# Altium PCB IOT_V1.2.PcbDoc (part 1 of 2)
Units mm, origin at the board's own origin, x right, y up, seen from the top; angles counter-clockwise.
Board outline 86.5 x 100 mm, 2 copper layers (Top Layer, Bottom Layer); 131 components, 118 nets, 469 pads, 487 vias.
Unrouted connection lines stored in the file: 52.
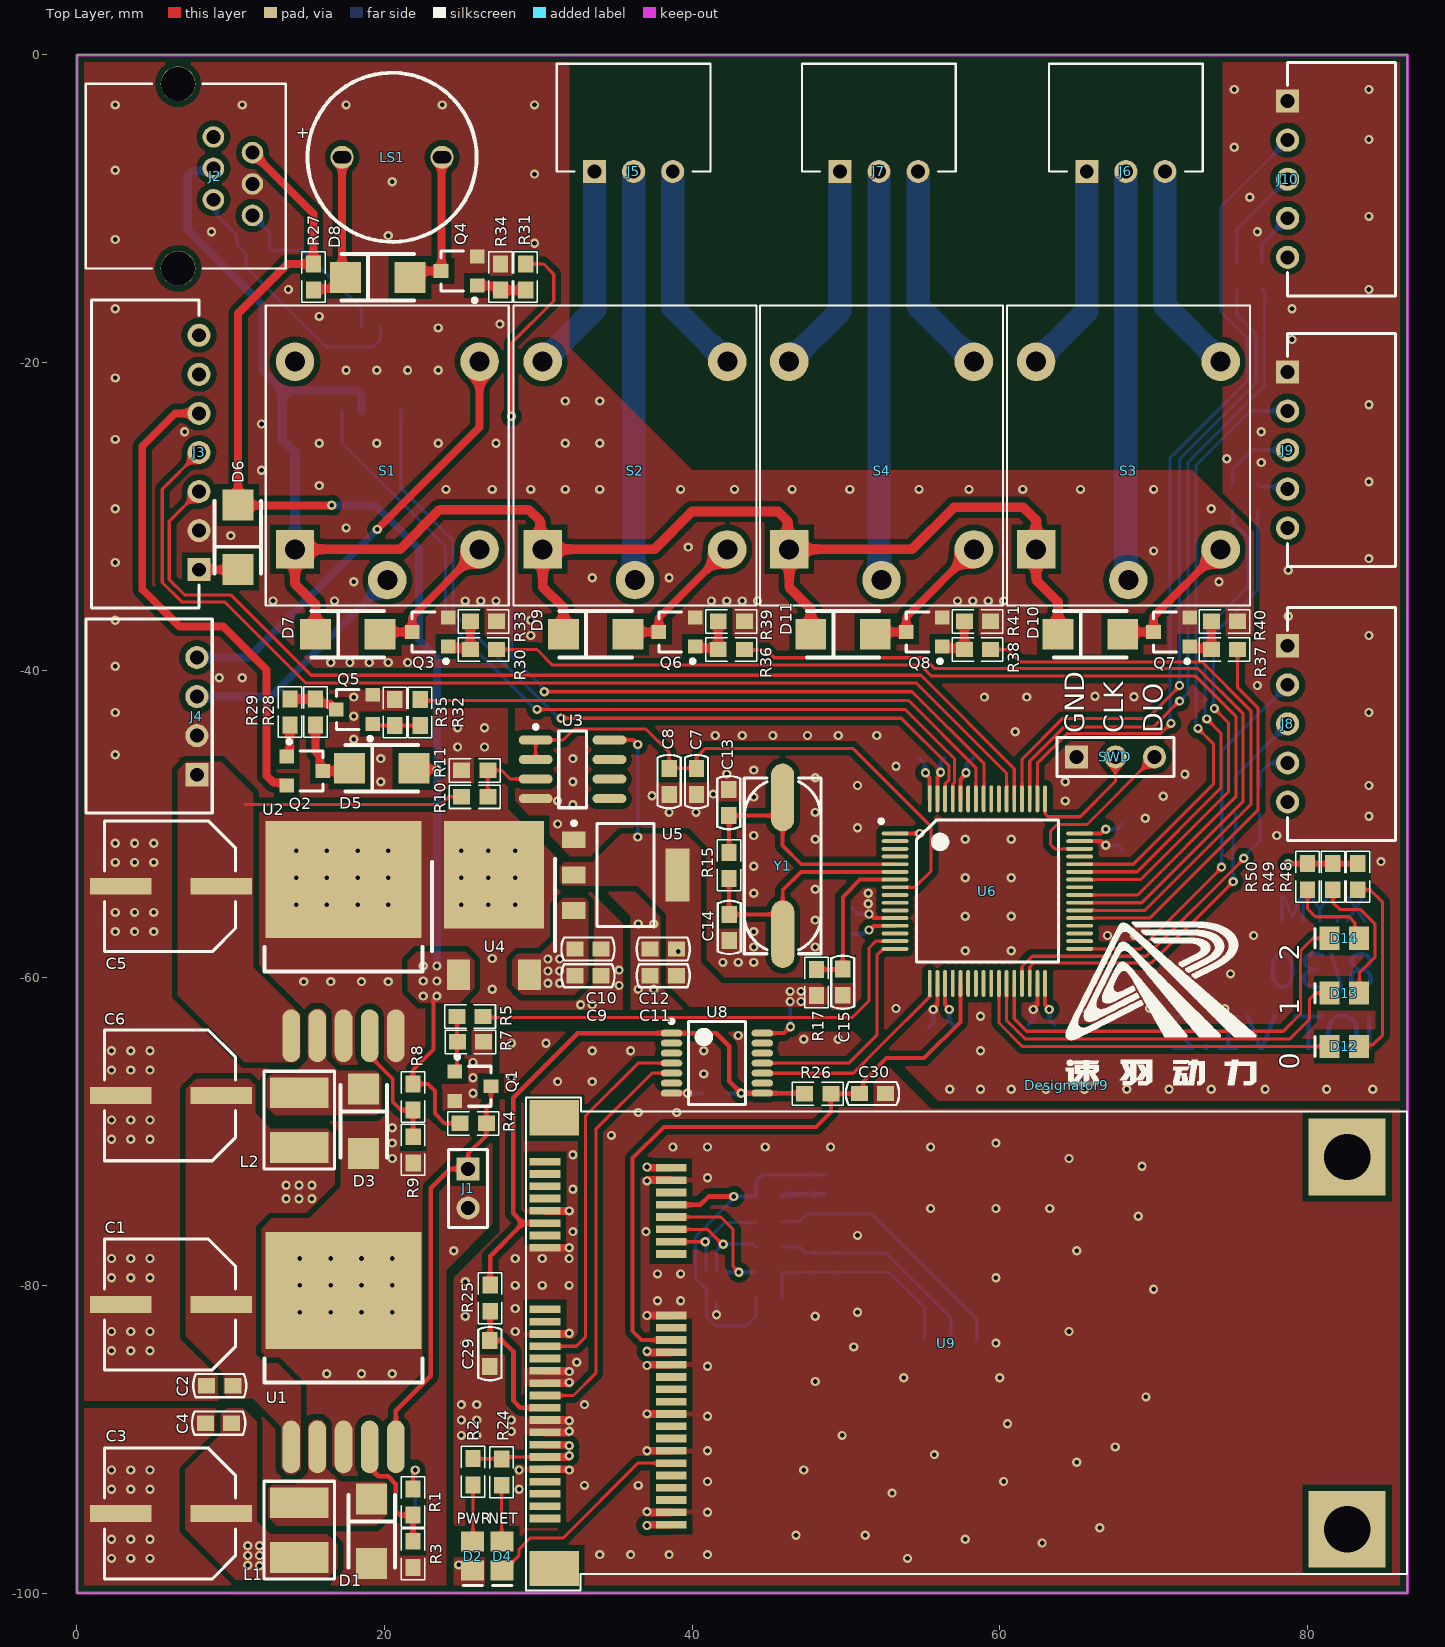
[diagram p0: Top Layer view]
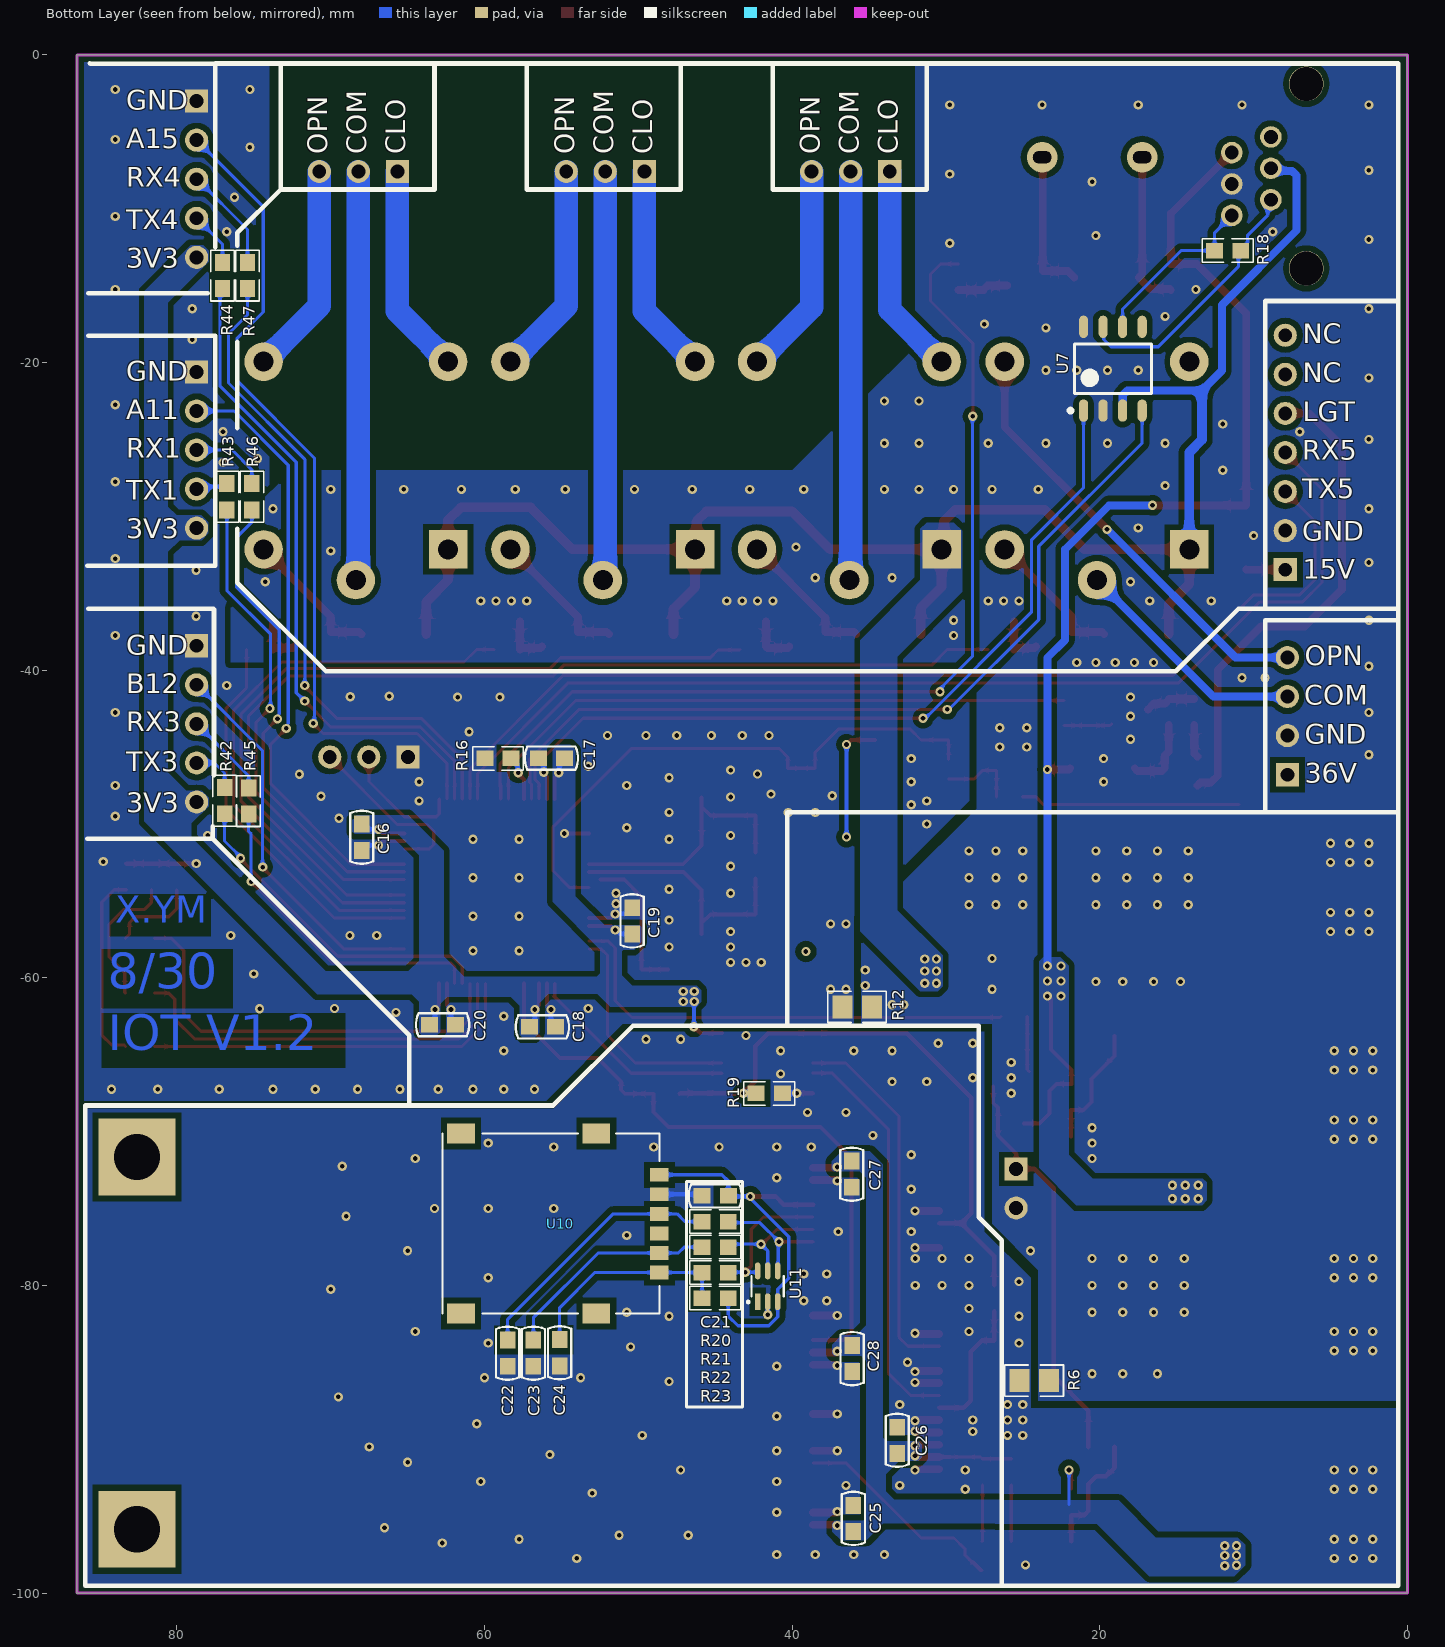
[diagram p1: Bottom Layer view, seen from below]
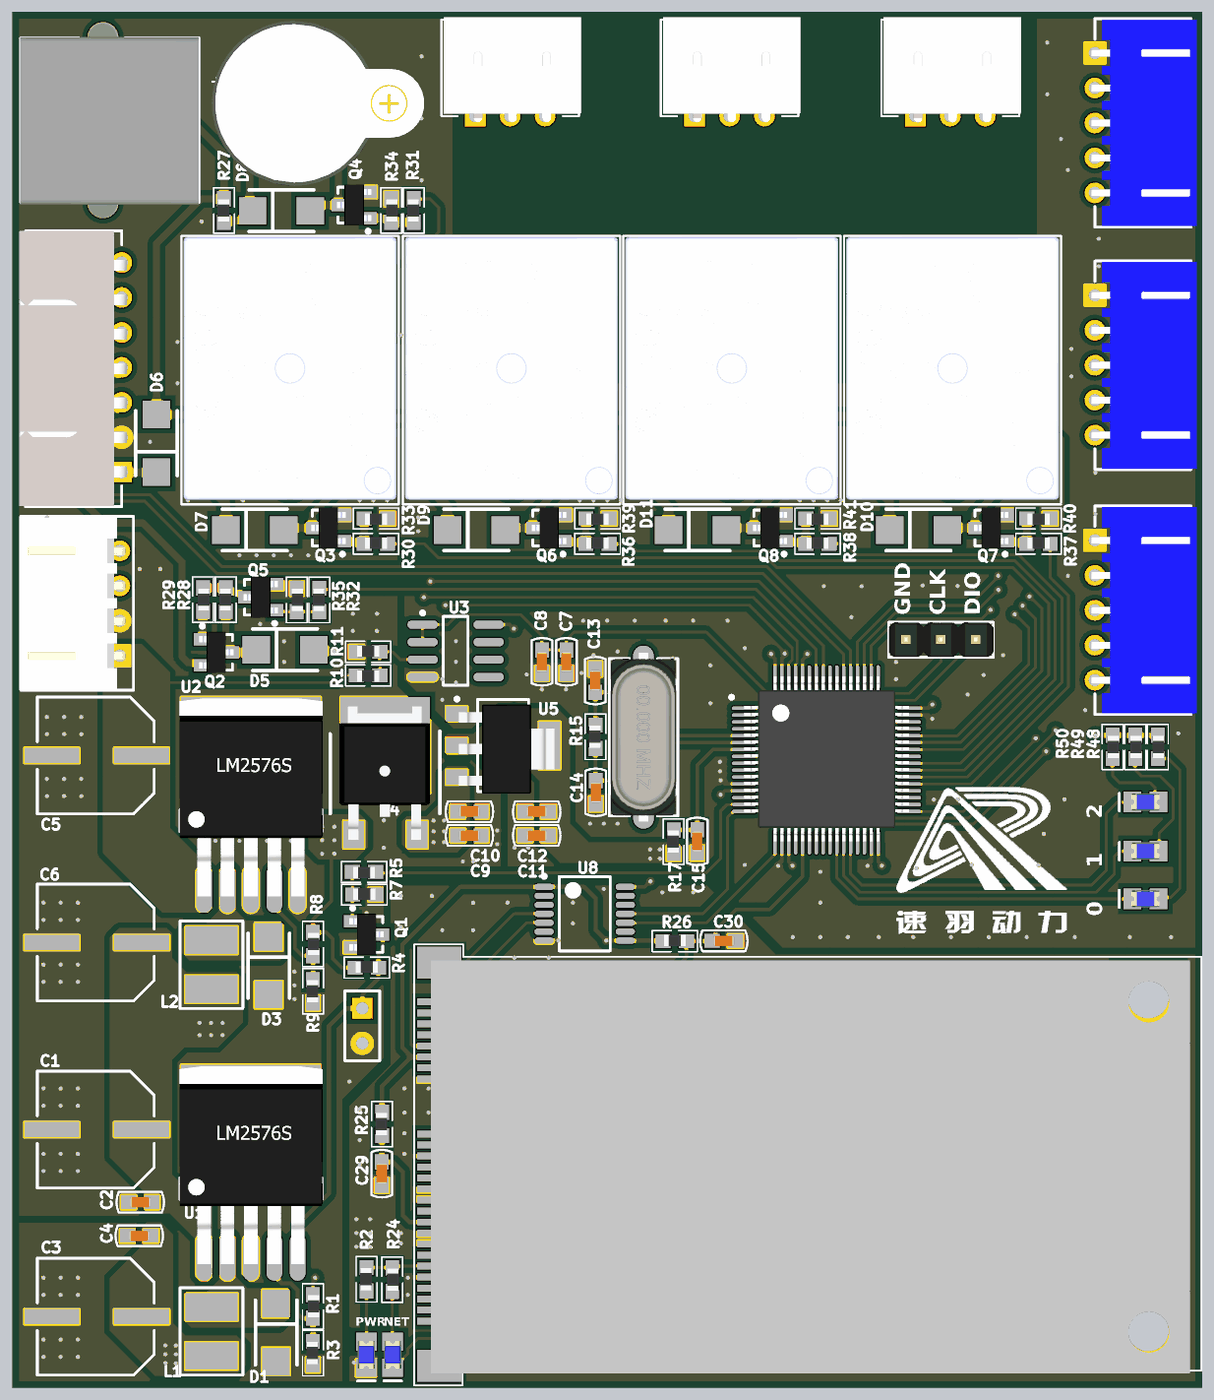
[diagram p3: 3D render of the assembled board from above, using the file's embedded part models]
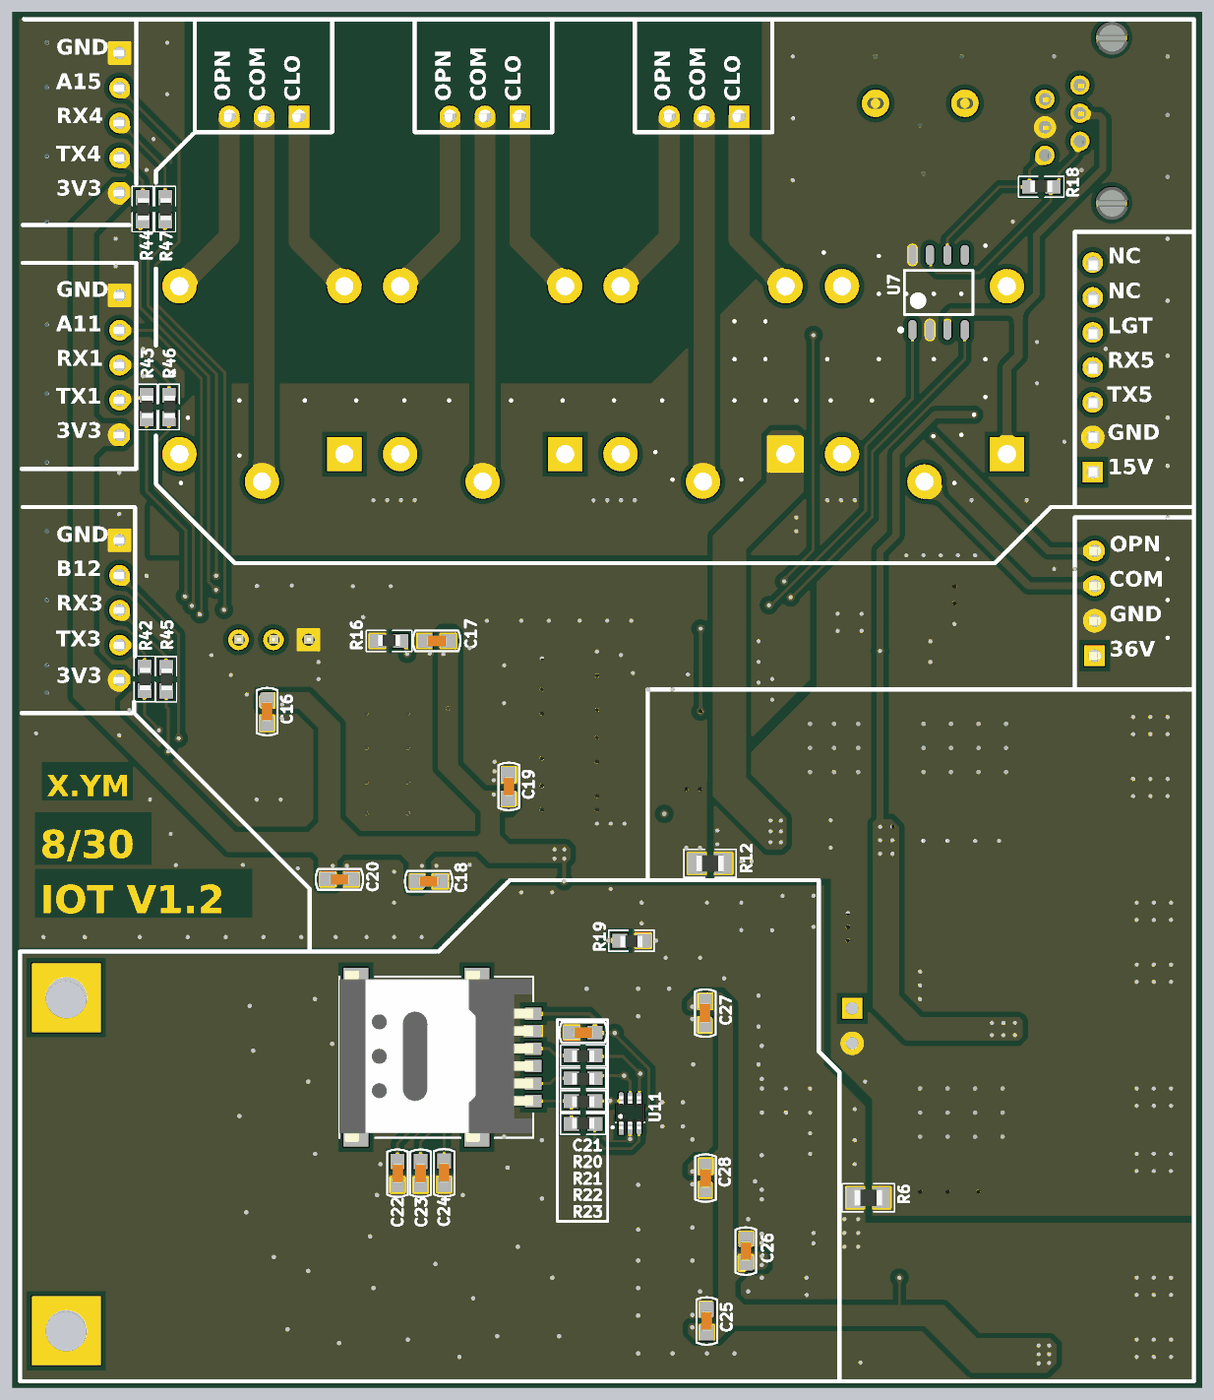
[diagram p4: 3D render of the assembled board from below, using the file's embedded part models]

## Layer stack, top to bottom
Top Solder: solder mask 0.0102, Solder Resist, Dk 3.5
Top Layer: signal copper 0.0356
Dielectric1: dielectric 0.32, FR-4, Dk 4.8
Bottom Layer: signal copper 0.0356
Bottom Solder: solder mask 0.0102, Solder Resist, Dk 3.5

## Board outline
0,-100 0,0 86.5,0 86.5,-100

## Design rules (kind name [scope] priority, off if disabled: settings)
Clearance 11111 [InNamedPolygon('AGND_T') Or  InNamedPolygon('GND_4G_T1') Or  InNamedPolygon('GND_4G_T2') Or  InNamedPolygon('GND_T') Or  InNamedPolygon('AGND_B') Or  InNamedPolygon('GND_4G_B') Or  InNamedPolygon('GND_B')] p1: gap=0.381 ignorepadtopadclearanceinfootprint=FALSE except(0: Arc-Hole Track-Hole SMDPad-Hole THPad-Hole Via-Hole Fill-Hole Poly-Hole Region-Hole Text-Hole)
Clearance [All] p2: gap=0.152 ignorepadtopadclearanceinfootprint=FALSE except(0: Arc-Hole Track-Hole SMDPad-Hole THPad-Hole Via-Hole Fill-Hole Poly-Hole Region-Hole Text-Hole)
FabricationTestpoint [(IsPad And (OnTopLayer Or OnBottomLayer))] p1: side=3 testpointundercomponent=TRUE minsize=1.016 maxsize=2.54 preferedsize=1.524 minholesize=0 maxholesize=1.016 preferedholesize=0.813 testpointgrid=0.025 allowsidetop=TRUE allowsidebottom=TRUE usegrid=TRUE gridtolerance=0
HoleSize [All] p1: absolutevalues=TRUE maxlimit=12.7 minlimit=0.025 maxpercent=80.000 minpercent=20.000
HoleToHoleClearance [All] p1: gap=0.025 allowstackedmicrovias=TRUE
MinimumSolderMaskSliver [All] p1: minsoldermaskwidth=0.025
PolygonConnect [All] p1: connectstyle=Direct reliefconductorwidth=0.254 reliefentries=4 polygonreliefangle="90 Angle" airgapwidth=0.254
RoutingVias [All] p1: holewidth=0.3 width=0.5 viastyle="Through Hole" minholewidth=0.3 minwidth=0.5 maxholewidth=1 maxwidth=1.5
SilkToSilkClearance [All] p1: silktosilkclearance=0.025
SilkToSolderMaskClearance [IsPad] p1: minsilkscreentomaskgap=0.025 clearancetoexposedcopper=TRUE
SolderMaskExpansion [All] p1: expansion=0.102 istentingtop=FALSE
Width [All] p1: maxlimit=2.032 minlimit=0.152 preferedwidth=0.152
24 further rules are at their usual default settings.

## Classes and differential pairs
component class 05_外部接口与其他部分: D5 D6 D7 D8 D9 D10 D11 J3 J4 J5 J6 J7 J8 J9 J10 LS1 Q2 Q3 Q4 Q5 Q6 Q7 Q8 R27 R28 R29 R30 R31 R32 R33 R34 R35 R36 R37 R38 R39 R40 R41 R42 R43 R44 R45 R46 R47 S1 S2 S3 S4
component class 04_4G通信模块与外围电路: C21 C22 C23 C24 C25 C26 C27 C28 C29 C30 D4 R19 R20 R21 R22 R23 R24 R25 R26 U8 U9 U10 U11
component class 03_MCU部分: C13 C14 C15 C16 C17 C18 C19 C20 D12 D13 D14 J2 R15 R16 R17 R18 R48 R49 R50 SWD U6 U7 Y1
component class 02_电源部分: C1 C2 C3 C4 C5 C6 C7 C8 C9 C10 C11 C12 D1 D2 D3 J1 L1 L2 Q1 R1 R2 R3 R4 R5 R6 R7 R8 R9 R10 R11 R12 U1 U2 U3 U4 U5

## Components (designator, comment, footprint, x,y, rotation, side; value= is the part's Value field where it differs from the comment)
C1 "Cap Pol" Cap8x10.5mm 9.299,-81.238 r0 top value=220uF/35V
C2 "Cap" CAP-0603 9.288,-86.517 r0 top value=0.1uF
C3 "Cap Pol" Cap8x10.5mm 9.299,-94.833 r0 top value=220uF/35V
C4 "Cap" CAP-0603 9.214,-88.955 r0 top value=0.1uF
C5 "Cap Pol" Cap8x10.5mm 9.299,-54.049 r0 top value=100uF/50V
C6 "Cap Pol" Cap8x10.5mm 9.299,-67.644 r0 top value=220uF/35V
C7 "Cap" CAP-0603 40.281,-47.241 r90 top value=0.1uF
C8 "Cap" CAP-0603 38.501,-47.241 r90 top value=10uF
C9 "Cap" CAP-0603 33.227,-59.863 r180 top value=10uF
C10 "Cap" CAP-0603 33.227,-58.129 r180 top value=0.1uF
C11 "Cap" CAP-0603 38.12,-59.863 r0 top value=0.1uF
C12 "Cap" CAP-0603 38.12,-58.129 r0 top value=10uF
C13 "Cap" CAP-0603 42.38,-48.609 r270 top value=22pF
C14 "Cap" CAP-0603 42.416,-56.725 r90 top value=22pF
C15 "Cap" CAP-0603 49.796,-60.288 r90 top value=0.1uF
C16 "Cap" CAP-0603 67.983,-50.863 r90 bottom value=0.1uF
C17 "Cap" CAP-0603 55.651,-45.72 r180 bottom value=0.1uF
C18 "Cap" CAP-0603 56.236,-63.195 r0 bottom value=0.1uF
C19 "Cap" CAP-0603 50.406,-56.299 r270 bottom value=0.1uF
C20 "Cap" CAP-0603 62.725,-63.056 r0 bottom value=0.1uF
C21 "Cap" CAP-0603 45,-74.182 r0 bottom value=0.1uF
C22 "Cap" CAP-0603 58.499,-84.405 r90 bottom value=33pF
C23 "Cap" CAP-0603 56.821,-84.405 r90 bottom value=33pF
C24 "Cap" CAP-0603 55.115,-84.38 r270 bottom value=33pF
C25 "Cap" CAP-0603 36.014,-95.15 r270 bottom value=0.1uF
C26 "Cap" CAP-0603 33.171,-90.07 r270 bottom value=0.1uF
C27 "Cap" CAP-0603 36.126,-72.77 r90 bottom value=0.1uF
C28 "Cap" CAP-0603 36.099,-84.759 r90 bottom value=0.1uF
C29 "Cap" CAP-0603 26.853,-84.434 r90 top value=0.1uF
C30 "Cap" CAP-0603 51.726,-67.525 r0 top value=0.1uF
D1 "SS34" SMA(DO-214AC) 19.159,-95.981 r270 top
D2 "LED" LED_0805 25.726,-97.597 r270 top
D3 "SS34" SMA(DO-214AC) 18.629,-69.327 r270 top
D4 "LED" LED_0805 27.648,-97.597 r270 top
D5 "SS34" SMA(DO-214AC) 19.824,-46.379 r0 top
D6 "SS34" SMA(DO-214AC) 10.478,-31.356 r90 top
D7 "SS34" SMA(DO-214AC) 17.614,-37.668 r0 top
D8 "SS34" SMA(DO-214AC) 19.557,-14.477 r0 top
D9 "SS34" SMA(DO-214AC) 33.731,-37.668 r0 top
D10 "SS34" SMA(DO-214AC) 65.888,-37.668 r0 top
D11 "SS34" SMA(DO-214AC) 49.81,-37.668 r0 top
D12 "LED" LED_0805 82.394,-64.465 r180 top
D13 "LED" LED_0805 82.394,-60.997 r180 top
D14 "LED" LED_0805 82.394,-57.432 r180 top
Designator9 "Comment" LOGO_AR_阳 64.338,-66.98 r0 top
J1 "Header 2" Header_2X1_2.54 25.436,-72.427 r270 top
J2 "标准接口" 标准接口-直插-灰色 8.876,-5.334 r90 top locked
J3 "Header7" Header_7X1_XH_2.54_弯针 7.942,-25.849 r90 top locked
J4 "Header 4" Header_4P_XH_2.54_弯脚 7.801,-42.989 r90 top locked
J5 "Header3" Header_3X1_XH_2.54_弯脚 36.195,-7.581 r0 top locked
J6 "Header3" Header_3X1_XH_2.54_弯脚 68.199,-7.581 r0 top locked
J7 "Header3" Header_3X1_XH_2.54_弯脚 52.146,-7.581 r0 top locked
J8 "Header5" HEADER_5X1_XH_2.54_弯针 78.715,-38.414 r270 top
J9 "Header5" HEADER_5X1_XH_2.54_弯针 78.715,-20.609 r270 top
J10 "Header5" HEADER_5X1_XH_2.54_弯针 78.715,-3.003 r270 top
L1 "Inductor" CD43 14.464,-95.908 r0 top value=470uH
L2 "Inductor" CD43 14.464,-69.254 r0 top value=470uH
LS1 "蜂鸣器" "蜂鸣器 9*5mm" 20.49,-6.658 r0 top locked
Q1 "SS8050" SOT-23 25.749,-67.051 r270 top
Q2 "AO3400" SOT-23-MOSFET 14.819,-46.555 r270 top
Q3 "SS8050" SOT-23 22.975,-37.519 r90 top
Q4 "SS8050" SOT-23 24.844,-14.051 r90 top
Q5 "AO3401" SOT-23-MOSFET 18.048,-42.55 r90 top
Q6 "SS8050" SOT-23 39.014,-37.519 r90 top
Q7 "SS8050" SOT-23 71.171,-37.519 r90 top
Q8 "SS8050" SOT-23 55.093,-37.519 r90 top
R1 "Res" 0603 21.85,-94.084 r270 top value=2KΩ
R2 "Res" 0603 25.751,-92.117 r90 top value=2KΩ
R3 "Res" 0603 21.85,-97.482 r90 top value=1KΩ
R4 "Res" 0603 25.767,-69.464 r0 top value=10KΩ
R5 "Res" 0603 25.564,-62.514 r180 top value=5KΩ
R6 "Res" 0805 24.262,-86.192 r0 bottom value=0Ω
R7 "Res" 0603 25.59,-64.164 r0 top value=50KΩ
R8 "Res" 0603 21.85,-67.751 r270 top value=11.3KΩ
R9 "Res" 0603 21.857,-71.183 r90 top value=1KΩ
R10 "Res" 0603 25.867,-48.234 r180 top value=150KΩ
R11 "Res" 0603 25.867,-46.518 r0 top value=10KΩ
R12 "Res" 0805 35.773,-61.893 r0 bottom value=0Ω
R15 "Res" 0603 42.394,-52.692 r90 top value=1MΩ
R16 "Res" 0603 59.117,-45.731 r180 bottom value=10KΩ
R17 "Res" 0603 48.082,-60.311 r90 top value=10KΩ
R18 "Res" 0603 11.684,-12.725 r180 bottom value=120Ω
R19 "Res" 0603 41.489,-67.512 r0 bottom value=100KΩ
R20 "Res" 0603 45.002,-75.853 r0 bottom value=22Ω
R21 "Res" 0603 45.002,-77.51 r0 bottom value=22Ω
R22 "Res" 0603 45.002,-79.167 r0 bottom value=22Ω
R23 "Res" 0603 45.002,-80.824 r180 bottom value=10KΩ
R24 "Res" 0603 27.617,-92.142 r270 top value=2KΩ
R25 "Res" 0603 26.867,-80.829 r90 top value=10KΩ
R26 "Res" 0603 48.165,-67.539 r0 top value=10KΩ